# KiCad board ZX-Spectrum-Pentagon.kicad_pcb (continued)
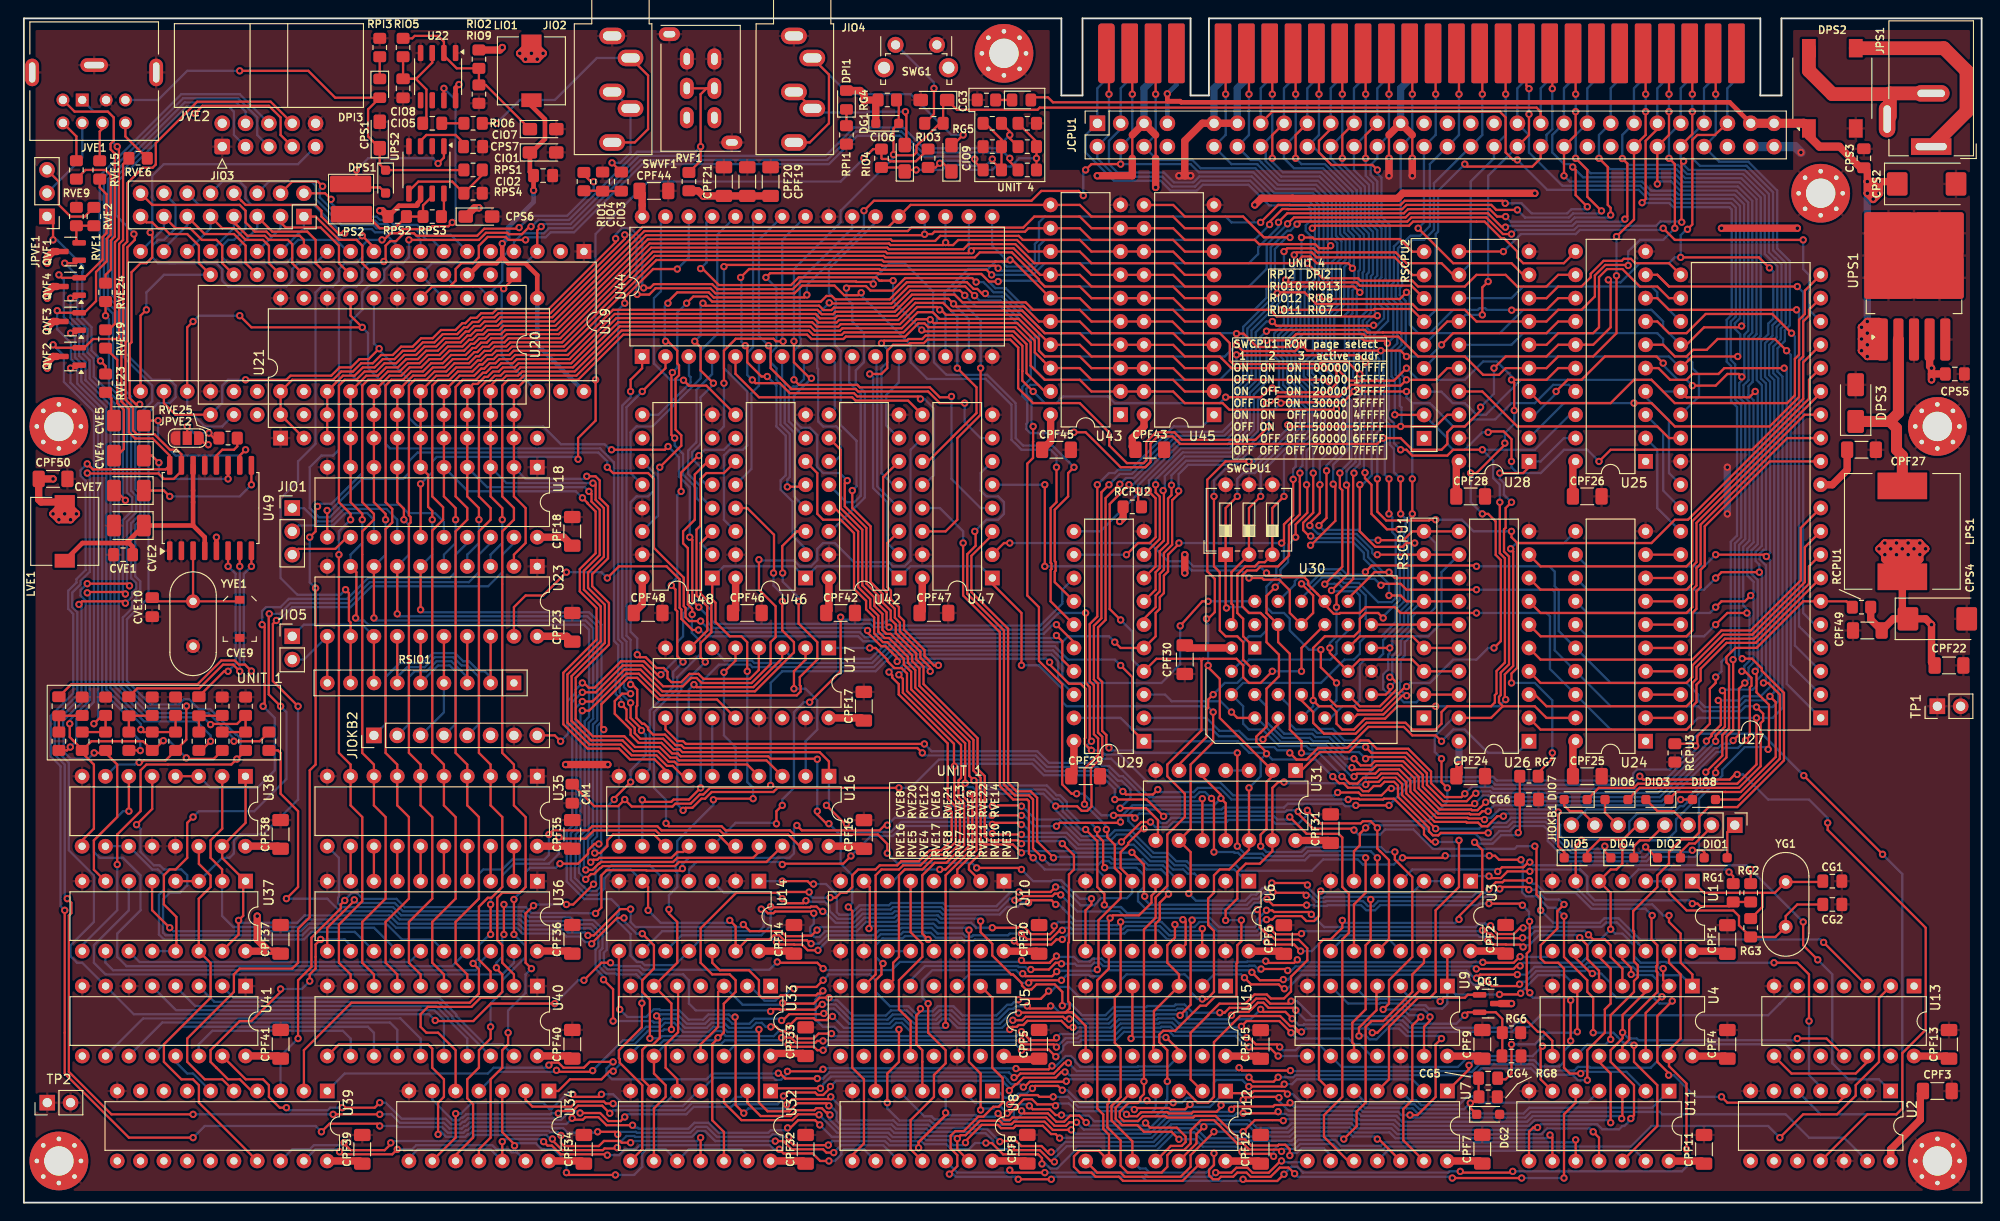
[diagram p0: board, top side]
## Routing (per net, layer and track width the routed paths; a pad name or vN(x,y) marks a point on that pad's centre or on a via; arc(x,y) is an arc through that point) (continued)
GND: length 64.4
  Top w0.25: 151.13,116.3 v1(151.13,113.76) ; 5.45,108.68 RVE1.1 ; 148.59,116.3 v1(148.59,113.76)
  Top w0.8: v1(148.59,113.76) v1(148.59,111.85) ; v1(125.73,111.85) v1(127,111.85) ; 126.37,111.85 126.37,115.66 128.27,117.57 132.08,117.57 ; 151.13,116.3 149.86,117.57 148.59,116.3 ; v1(151.13,113.76) v1(151.13,111.85)
  Bottom w0.8: v1(185.42,75.02) v1(185.42,80.1) ; 129.54,117.57 129.54,121.38 130.53,122.37 XMCPU1.A6 ; XMCPU1.A14 150.85,122.37 149.86,121.38 149.86,117.57 ; v1(125.73,111.85) v1(127,111.85) ; XMCPU1.A7 133.07,122.37 132.08,121.38 132.08,117.57 ; v1(151.13,113.76) v1(151.13,111.85) ; v1(148.59,113.76) v1(148.59,111.85)
  Bottom w1: v1(193.43,114.39) 192.8,115.03 187.96,115.03
VCC: length 407.3
  Top w0.25: 120.65,116.3 120.65,113.76 ; JPVE2.3 19.8,82.56 v1(20.07,82.56) ; 123.19,113.76 123.19,116.3
  Top w0.5: UPS2.6 43.18,109.18 42.88,108.87 42.88,108.68 ; U49.5 v1(20.95,72.48) ; 42.78,108.59 40.82,108.59 RPS2.1 ; U22.8 46.99,121.43 v1(47.35,121.79) 47.35,121.73
  Top w0.8: CPF15.1 134.33,15.96 130.81,15.96 ; CPF47.1 97.79,64.52 U47.16 ; 203.21,4.53 203.21,5.81 206.43,9.03 206.43,11.87 CPF3.1 ; CPF17.1 91.13,52.8 U17.16 ; CPF30.1 126.66,60.42 131.44,60.42 ; v1(206.37,70.59) 206.38,70.59 v1(206.38,71.85) ; v1(206.37,70.59) 205.11,71.86 v1(205.1,71.86) ; v1(206.37,70.59) v1(207,71.22) 207,71.22 v1(206.38,71.85) ; v1(206.37,70.59) 202.57,70.59 v1(202.56,70.58) ; v1(206.37,70.59) 206.37,70.07 LPS1.2 ; v1(2.54,95.34) 3.18,95.98 3.58,95.98 ; U32.14 84.8,4.54 CPF32.1 ; 106.68,27.39 110.22,27.39 CPF10.1 ; v1(3.18,75.02) v1(3.81,74.39) v1(5.08,74.39) v1(5.71,75.02) ; v1(3.18,75.02) v1(4.45,75.02) ; v1(3.18,75.02) 3.18,75.05 LVE1.1 ; v1(55.88,124.55) v1(56.51,125.19) ; v1(55.88,124.55) v1(54.61,124.55) ; v1(55.88,124.55) 55.88,125.19 ; v1(56.51,125.19) 55.88,125.19 ; v1(56.51,125.19) v1(53.98,125.19) ; v1(56.51,125.19) 55.24,126.46 v1(53.98,125.19) ; U11.14 182.6,4.53 CPF11.1 ; v1(205.1,71.86) 203.84,70.59 v1(203.84,70.58) ; v1(205.1,71.86) 205.1,70.59 v1(205.11,70.58) ; U23.20 59.1,61.69 CPF23.1 ; U45.20 121.93,84.55 120.65,83.28 120.65,82.35 CPF43.1 ; U29.20 114.3,46.74 CPF29.1 ; 123.19,116.3 121.92,117.57 120.65,116.3 ; v1(133.99,108.68) 134.71,109.41 138.1,109.41 138.11,109.39 149.54,109.39 150.1,109.95 v1(164.47,109.95) ; CPF13.1 209.27,15.96 205.75,15.96 ; 123.19,113.76 v1(123.19,110.58) ; v1(202.56,70.58) 203.83,71.85 v1(203.83,71.86) ; v1(202.56,70.58) 202.56,70.07 LPS1.2 ; v1(202.56,70.58) v1(202.56,71.85) ; v1(202.56,70.58) v1(201.93,71.21) v1(202.56,71.85) ; U16.20 91.15,38.83 CPF16.1 ; 55.88,125.19 55.24,125.82 54.61,125.19 ; CPS4.1 204.47,64.2 LPS1.2 ; CPS4.1 207.01,63.59 v1(207.65,62.96) 207.65,58.86 CPF22.1 ; CPS4.1 203.49,63.59 CPF49.1 201.03,63.52 RCPU1.2 ; LPS1.2 204.46,68.18 v1(204.46,71.22) ; LPS1.2 203.84,68.8 v1(203.84,70.58) ; LPS1.2 205.11,68.8 v1(205.11,70.58) ; LPS1.2 205.74,69.44 205.74,69.94 205.74,69.95 v1(205.74,71.22) ; LPS1.2 203.2,69.44 203.2,69.94 203.21,69.95 v1(203.21,71.21) ; 168.91,50.26 168.62,49.97 CPF25.1 ; 160.72,21.68 v1(161.93,21.68) ; v1(203.84,70.58) 203.83,70.58 v1(203.83,71.86) ; v1(203.84,70.58) v1(202.56,71.85) ; 3.58,99.79 3.18,99.79 2.54,99.16 v1(2.54,98.52) ; 181.61,27.39 185.13,27.39 CPF1.1 ; v1(203.83,71.86) 205.11,70.58 v1(205.11,70.58) ; CPF5.1 110.42,15.6 107.04,15.6 106.68,15.97 ; U18.20 58.76,72.48 CPF18.1 ; 154.94,15.96 158.47,15.96 CPF9.1 ; v1(116.84,111.85) 120.65,111.85 120.65,113.76 ; v1(54.61,124.55) 54.61,125.19 ; v1(54.61,124.55) v1(53.98,125.19) ; 54.61,125.19 v1(53.98,125.19) ; v1(5.71,75.02) v1(4.45,75.02) ; v1(5.71,75.02) 5.71,75.05 LVE1.1 ; v1(4.45,75.02) LVE1.1 ; LVE1.1 1.88,76.32 1.61,76.59 CPF50.1 v1(3.18,78.83) ; 24.12,27.39 v1(26.66,27.39) ; v1(26.66,27.39) 25.4,28.65 v1(25.4,31.21) ; v1(26.66,27.39) 27.67,27.39 CPF37.1 ; U42.16 87.63,64.52 CPF42.1 ; v1(52.07,125.82) 51.8,125.55 50.16,125.55 ; v1(202.56,71.85) v1(206.38,71.85) ; CPF28.1 155.92,80.45 U28.20 ; 3.58,92.17 3.18,92.17 2.54,91.53 v1(2.54,90.9) ; CPF35.1 59.41,38.83 U35.20 ; v1(119.28,74.2) 119.65,74.57 RCPU2.1 ; 24.13,38.83 27.66,38.83 CPF38.1 ; U34.14 60.66,4.54 CPF34.1 ; CPF4.1 185.14,15.96 181.62,15.96 ; 110.84,82 111.76,82.92 111.76,85.82 ; 55.88,27.41 59.4,27.41 CPF36.1 ; v1(206.38,71.85) v1(205.11,70.58) ; 91.44,120.07 91.44,120.72 91.03,121.13 89.53,121.13 ; CPF14.1 83.54,27.4 80.01,27.4 ; 195.58,78.2 196.85,78.2 198.46,79.81 CPF27.1 ; CPF12.1 134.34,4.53 U12.14 ; CPS6.1 49.04,108.36 v1(49.53,108.36) ; CPF46.1 77.47,64.52 U46.16 ; 3.58,103.6 3.18,103.6 2.54,102.97 v1(2.54,102.33) ; v1(184.78,106.14) v1(193.04,106.14) ; U7.14 158.46,4.54 CPF7.1 ; CPS5.1 207.65,90.26 v1(207.65,89.63) v1(207.65,90.9) 207.44,91.1 UPS1.4 ; U8.14 108.94,4.54 CPF8.1 ; CPF6.1 136.85,27.39 133.34,27.39 ; CPF40.1 59.4,15.98 55.88,15.98 ; v1(38.74,108.05) 39,108.05 RPS2.1 ; 24.13,15.98 27.65,15.98 CPF41.1 ; 81.28,16.25 84.81,16.25 CPF33.1 ; U39.20 36.54,4.54 CPF39.1 ; CPF19.1 CPF20.1 CPF21.1 74,109.66 v1(73.98,109.63) 73.39,110.22 RVF1.1 ; v1(126.37,70.58) v1(126.37,68.59) ; CPF48.1 67.31,65.16 U48.16 ; U3.14 161,27.4 CPF2.1 ; U31.14 141.96,39.45 CPF31.1 ; CPF24.1 156.21,46.74 v1(156.21,47.72) ; LIO1.1 v1(55.24,125.19) ; 66.98,110.2 67.29,109.89 U44.32 ; RG4.1 91.53,120.11 v1(91.44,120.02) ; CPF26.1 168.61,80.45 U25.20 ; 92.73,119.86 DG1.1 ; v1(58.97,47.72) v1(63.56,47.72)
  Bottom w0.8: 30.48,85.83 U20.19 ; 121.92,117.57 121.92,121.38 122.91,122.37 XMCPU1.A3 122.91,122.29 ; U26.20 v1(156.21,47.72)
/A0: length 233.3
  Top w0.25: 137.16,117.57 135.89,116.3 v1(135.89,113.76) ; v1(93.34,93.62) 93.62,93.89 96.11,93.89 96.28,94.07 97.77,94.07 98.16,94.46 107.55,94.46 108.69,93.33 108.69,90.57 108.68,90.57 108.68,89.54 v1(109.86,88.36) ; v1(157.48,79.47) 158.12,79.47 161.2,82.56 v1(161.2,82.73) ; v1(124,77.56) 124.09,77.48 124.09,72.11 123.19,71.21 123.19,69.31 U29.8 ; v1(158.75,75.02) 159.39,75.02 160.21,74.2 160.21,70.56 160.76,70 160.76,61.16 v1(160.02,60.42) ; U30.12 142.88,54.07 144.78,54.07 145.23,53.62 147.79,53.62 150.39,56.22 v1(150.51,56.22) ; v1(150.5,90.9) 149.14,89.54 144.24,89.54 v1(142.88,90.9) 142.88,89.24 141.9,88.26 136.35,88.26 v1(135.89,88.72) 135.62,88.72 134.63,87.74 v1(130.82,87.74) ; v1(162.22,86.29) 162.22,89.33 v1(161.93,89.63) 165.74,89.63 167.01,90.91 U25.16
  Bottom w0.25: v1(135.89,88.72) 135.62,88.72 134.33,87.44 134.33,84.02 131.58,81.27 126.33,81.27 124.19,79.13 124.19,77.75 v1(124,77.56) ; v1(162.22,86.29) 162.22,84.85 161.2,83.83 v1(161.2,82.73) ; v1(157.48,79.47) 157.48,76.29 v1(158.75,75.02) ; v1(142.88,90.9) 142.63,91.15 142.63,93.29 142.63,96.7 143.72,97.79 143.72,101.91 144.31,102.5 144.31,105.09 143.72,105.69 143.72,109.74 141.23,112.22 137.04,112.22 135.89,113.37 v1(135.89,113.76) ; v1(150.5,90.9) 151.77,89.63 156.84,89.63 158.84,91.62 160.32,91.62 161.93,90.02 v1(161.93,89.63) ; v1(150.51,56.22) 150.9,56.61 153.03,56.61 155.58,59.15 158.12,59.15 159.39,60.42 v1(160.02,60.42) ; U42.5 94.62,78.2 93.34,79.47 93.34,90.9 93.98,91.53 93.98,92.98 v1(93.34,93.62) ; v1(130.82,87.74) 130.17,87.09 118.75,87.09 118.02,87.81 113.12,87.81 112.4,87.09 111.12,87.09 v1(109.86,88.36) ; 137.16,117.57 137.16,121.38 138.15,122.37 XMCPU1.A9
/A1: length 232.7
  Top w0.25: v1(136.83,87.09) 136.92,87.18 143.6,87.18 v1(144.78,88.36) v1(150.5,88.36) ; 123.19,66.13 123.64,66.58 123.64,68.49 124.09,68.94 124.09,70.76 124.99,71.66 124.99,76.51 125.69,77.22 v1(125.69,77.52) ; U29.6 121.92,63.59 123.19,64.86 123.19,66.13 ; v1(135.5,84.55) 134.05,83.09 126.05,83.09 125.23,83.91 123.23,83.91 122.17,82.86 122.17,80.84 121.89,80.55 120.06,80.55 118.15,82.47 118.15,83.88 114.94,87.09 109.86,87.09 108.23,88.72 108.23,90.75 108.24,90.76 108.24,93.14 107.37,94.01 98.35,94.01 97.96,93.62 96.47,93.62 96.29,93.44 94.62,93.44 93.98,92.8 93.98,90.9 93.34,90.26 v1(92.07,90.26) ; 139.7,117.57 138.43,116.3 v1(138.43,113.76) ; v1(151.13,78.83) v1(151.13,75.02)
  Bottom w0.25: v1(92.07,90.26) 92.44,89.9 92.44,77.84 93.98,76.29 93.98,71.85 95.24,70.6 ; XMCPU1.A10 140.69,122.37 139.7,121.38 139.7,117.57 ; v1(150.5,88.36) 150.5,87.72 151.13,87.09 ; v1(138.43,113.76) 139.06,113.12 141.6,113.12 144.62,110.11 144.62,106.06 145.42,105.27 145.42,101.62 145.27,101.47 145.27,100.04 144.62,99.39 144.62,96.85 144.24,96.47 144.24,88.9 v1(144.78,88.36) ; v1(151.13,75.02) 150.85,74.75 150.85,72.85 150.67,72.67 150.67,65.28 149.78,64.39 149.78,63.07 147.96,61.25 147.96,59.78 147.32,59.15 145.95,59.15 145.42,58.61 145.42,54.7 144.78,54.07 143.51,54.07 142.24,52.8 U30.11 ; 151.13,87.09 v1(151.13,78.83) ; 151.13,87.09 153.03,87.09 155.58,84.55 156.82,84.55 157.58,85.31 160.15,85.31 161.93,87.09 164.47,87.09 166.46,89.08 168.18,89.08 U25.17 ; v1(136.83,87.09) 135.5,85.77 v1(135.5,84.55) 135.5,83.92 131.95,80.37 126.7,80.37 125.69,79.36 v1(125.69,77.52)
/A2: length 221.4
  Top w0.25: v1(149.86,82.01) 150.49,82.01 151.13,81.38 154.94,81.38 155.58,82.01 v1(158.75,82.01) ; v1(131.99,94.66) 132.76,94.66 134.22,93.21 137.8,93.21 138.76,94.16 145.62,94.16 145.91,93.88 148.15,93.88 v1(148.42,93.61) ; v1(89.53,99.62) 89.75,99.84 91.66,99.84 92.16,99.35 94.56,99.35 95.92,100.71 103.22,100.71 v1(103.65,100.28) ; 139.06,55.34 139.06,54.7 140.34,53.43 140.34,52.27 141.52,51.08 144.96,51.08 146.15,52.27 150.39,52.27 151.13,51.53 153.67,51.53 154.31,52.16 154.31,53.43 154.94,54.07 159.7,54.07 160.12,54.48 160.12,55.28 160.3,55.47 160.3,57.92 161.21,58.83 161.21,70.19 160.66,70.74 v1(160.66,76.29) ; v1(147.32,112.49) 146.78,113.03 142.33,113.03 140.97,114.39 140.97,115.66 142.24,116.94 142.24,117.57
  Bottom w0.25: v1(131.99,94.66) 131.94,94.71 111.12,94.71 106.67,99.16 105.56,99.16 104.44,100.28 v1(103.65,100.28) ; 142.24,117.57 142.24,121.38 143.23,122.37 XMCPU1.A11 ; 87.62,72.89 91.54,76.81 91.54,88.26 90.55,89.25 90.55,90.65 91.44,91.53 91.44,94.71 90.17,95.98 90.17,97.88 89.53,98.52 v1(89.53,99.62) ; v1(149.86,82.01) 149.14,82.73 149.14,84.88 148.5,85.52 148.5,86.33 148.59,86.42 148.59,89.63 148.42,89.8 v1(148.42,93.61) 149.06,94.24 149.06,97.65 148.42,98.29 148.42,100.17 148.67,100.42 148.67,106.5 147.77,107.4 147.77,111.65 147.32,112.1 v1(147.32,112.49) ; U25.18 168.28,85.82 164.47,82.01 v1(158.75,82.01) 159.93,80.83 159.93,78.92 160.66,78.2 v1(160.66,76.29)
/A3: length 223.9
  Top w0.25: v1(131.99,92.35) 132.03,92.31 145.28,92.31 v1(146.05,91.54) ; v1(87.66,98.01) 87.73,97.94 94.43,97.94 96.29,99.81 102.46,99.81 103.46,98.8 v1(103.48,98.8) ; 144.78,117.57 143.51,116.3 v1(143.51,113.76) ; v1(149.68,73.34) 148.37,73.34 146.69,75.02 146.69,78.2 145.98,78.91 v1(145.98,79.51) ; v1(147.96,63.68) 147.41,64.23 146.05,64.23 145.42,63.59 145.42,62.32 144.78,61.69 141.61,61.69 140.34,60.42 v1(140.34,54.7) 140.97,54.07 142.24,54.07 142.88,53.43 142.88,52.16 143.51,51.53 144.78,51.53 145.97,52.72 148.17,52.72 149.52,54.07 v1(153.67,54.07) ; v1(161.84,71.22) 162.11,70.95 162.11,58.46 161.2,57.55 161.2,54.88 v1(161.29,54.79)
  Bottom w0.25: 107,97.57 106.3,98.26 104.02,98.26 v1(103.48,98.8) ; v1(161.29,54.79) 160.57,54.07 v1(153.67,54.07) ; v1(149.68,73.34) 149.77,73.25 149.77,65.65 147.96,63.84 v1(147.96,63.68) ; XMCPU1.A12 145.77,122.37 144.78,121.38 144.78,117.57 ; U42.11 88.26,80.74 88.9,81.38 88.9,84.08 88.43,84.55 87,84.55 86.45,85.09 86.45,90.81 86.36,90.9 86.36,96.71 v1(87.66,98.01) ; v1(161.84,71.22) 162.46,71.85 167.64,71.85 168.91,73.12 ; v1(145.98,79.51) 145.87,79.63 145.87,86.94 146.41,87.48 146.41,89.91 146.14,90.17 146.14,91.45 v1(146.05,91.54) 146.07,91.56 146.07,94.75 145.74,95.09 145.74,96.06 146.62,96.94 146.62,100.91 146.84,101.14 146.84,105.75 145.97,106.62 145.97,110.67 143.51,113.13 v1(143.51,113.76) ; 139.06,52.8 139.89,53.62 139.89,53.62 140.34,54.07 v1(140.34,54.7) ; v1(131.99,92.35) 131.99,91.45 130.18,89.63 111.12,89.63 110.04,90.72 110.04,94.52 106.86,97.71
/A4: length 308.1
  Top w0.25: v1(137.55,106.62) 138.24,107.31 150.4,107.31 150.85,107.76 159.37,107.76 160.88,106.26 v1(161.27,106.26) ; v1(184.43,54.7) 184.71,54.43 184.71,52.04 183.7,51.03 183.7,50.83 v1(183.14,50.27) ; v1(173.99,113.73) 174.54,113.19 174.54,107.4 v1(174.27,107.13) ; v1(106.04,100.34) 105.04,100.34 104.22,101.16 93.03,101.16 92.94,101.24 81.24,101.24 v1(80.77,100.78) ; v1(83.1,77.97) 83.19,77.97 83.2,77.98 85.08,77.98 ; v1(146.05,49.62) 146.69,48.99 150.5,48.99 152.72,46.77 152.72,45.51 154.5,43.72 157.05,43.72 157.91,44.59 v1(158.04,44.59) ; v1(184.15,70.58) 189.47,70.58 v1(189.67,70.38)
  Bottom w0.25: 83.1,77.97 83.1,78.76 83.37,79.04 83.37,83.73 82.37,84.73 82.37,89.18 81.91,89.63 81.91,90.9 81.28,91.53 81.28,92.63 81.36,92.63 81.91,93.18 81.91,99.64 v1(80.77,100.78) ; 168.91,70.58 170.18,69.31 182.88,69.31 v1(184.15,70.58) ; v1(146.05,49.62) 143.83,49.62 142.29,51.16 140.78,51.16 140.41,51.53 138.43,51.53 137.8,52.16 137.8,54.07 137.16,54.7 U30.8 ; XMCPU1.A24 176.25,122.37 175.26,121.38 175.26,117.57 173.99,116.3 v1(173.99,113.73) 174.69,113.03 180.04,113.03 181.03,112.04 187.14,112.04 189.5,109.68 189.5,103.33 190.41,102.42 190.45,102.42 190.87,102 190.87,96.11 190.33,95.57 190.33,94.42 189.53,93.62 189.53,89.97 190.08,89.42 190.08,70.79 v1(189.67,70.38) 190.08,69.98 190.08,56.18 189.05,55.16 187.21,55.16 186.76,54.7 v1(184.43,54.7) ; 106.21,100.42 110.49,100.42 111.12,99.79 133.35,99.79 135.27,101.71 135.27,104.34 v1(137.55,106.62) ; v1(158.04,44.59) 158.25,44.79 159.61,44.79 159.78,44.62 177.88,44.62 183.14,49.88 v1(183.14,50.27) ; v1(174.27,107.13) 173.99,106.85 169,106.85 168.55,106.41 161.41,106.41 v1(161.27,106.26) ; v1(106.04,100.34) 106.13,100.42
/A5: length 331
  Top w0.25: v1(80.91,89.99) 80.28,89.99 78.74,91.53 78.74,93.13 v1(78.52,93.35) ; v1(184.15,50.26) 184.15,50.84 185.16,51.85 185.16,55.51 v1(184.88,55.78) ; v1(188.9,68.67) 184.78,68.67 v1(184.15,68.04) ; v1(134.87,50.46) 136.53,52.11 U30.7 ; v1(157.92,43.47) 157.73,43.27 154.31,43.27 152.27,45.32 152.27,46.59 150.31,48.54 146.24,48.54 v1(146.05,48.35) ; v1(172.72,107.58) 172.72,108.36 172.4,108.68 172.4,112.81 v1(171.45,113.76) ; v1(105.34,101.06) 104.79,101.61 93.22,101.61 93.13,101.69 78.93,101.69 v1(78.02,100.78) ; v1(161.29,107.41) 160.36,107.41 159.56,108.22 150.66,108.22 150.21,107.76 137.52,107.76 136.56,106.81 v1(136.56,106.78)
  Bottom w0.25: v1(184.15,68.04) 182.88,66.77 170.18,66.77 168.91,68.04 ; 105.41,101.06 109.86,101.06 111.12,102.33 133.35,102.33 134.35,103.33 134.35,104.06 136.56,106.27 v1(136.56,106.78) ; v1(157.92,43.47) 157.95,43.47 158.82,44.34 159.42,44.34 159.59,44.17 178.06,44.17 v1(184.15,50.26) ; XMCPU1.A23 173.71,122.37 172.72,121.38 172.72,117.57 171.45,116.3 v1(171.45,113.76) 172.62,112.58 179.85,112.58 180.85,111.59 186.95,111.59 189.05,109.49 189.05,94.41 188.63,93.99 188.63,89.59 189.18,89.04 189.18,71.55 188.49,70.87 188.49,69.9 188.9,69.49 v1(188.9,68.67) 189.18,68.4 189.18,57.46 188.63,56.91 188.63,56.32 188.19,55.88 184.99,55.88 v1(184.88,55.78) ; v1(172.72,107.58) 172.45,107.3 168.81,107.3 168.36,106.85 161.84,106.85 v1(161.29,107.41) ; U46.2 85.09,71.21 83.66,72.64 83.66,76.37 82.37,77.67 82.37,78.68 82.92,79.23 82.92,83.54 81.91,84.55 81.91,88.99 v1(80.91,89.99) ; U30.7 136.53,51.74 137.19,51.08 140.23,51.08 140.6,50.71 142.11,50.71 143.74,49.08 145.33,49.08 v1(146.05,48.35) ; U29.2 128.72,52.8 130.13,51.4 132.27,51.4 133.2,50.46 v1(134.87,50.46) ; v1(78.52,93.35) 78.1,93.76 78.1,100.69 v1(78.02,100.78)
/A6: length 318.3
  Top w0.25: v1(171.72,108.03) 170.18,109.57 170.18,112.49 v1(168.91,113.76) ; v1(184.15,64.86) 184.78,65.5 187.33,65.5 v1(187.96,66.13) ; v1(186.05,50.34) 186.69,50.98 186.69,55.97 v1(187.33,56.61) ; v1(162.56,108.13) 160.27,108.13 159.73,108.68 150.49,108.68 150.02,108.22 137.62,108.22 137.61,108.23 136.98,108.23 135.59,106.84 v1(135.59,106.55) ; v1(159.12,43.62) 158.59,43.09 158.57,43.09 158.22,42.74 157.62,42.74 157.54,42.82 154.13,42.82 151.82,45.13 151.82,46.4 150.13,48.09 147.06,48.09 146.6,47.63 145.5,47.63 v1(144.78,48.35) ; v1(106.04,101.78) 105.77,102.06 93.4,102.06 93.32,102.14 76.39,102.14 v1(76.2,101.96)
  Bottom w0.25: v1(184.15,64.86) 183.52,64.23 170.18,64.23 168.91,65.5 ; U46.14 76.2,74.39 76.2,81.38 76.2,81.38 76.84,82.01 78.27,82.01 78.74,82.48 78.74,88.36 76.2,90.9 v1(76.2,101.96) ; U30.6 135.25,54.07 135.25,52.38 137,50.63 139.96,50.63 140.33,50.26 141.92,50.26 143.83,48.35 v1(144.78,48.35) ; v1(186.05,50.34) 185.7,49.98 184.88,49.98 184.88,49.96 184.45,49.53 184.06,49.53 178.25,43.72 159.23,43.72 v1(159.12,43.62) ; v1(187.33,56.61) 187.73,57.01 187.73,58.28 188.28,58.83 188.28,65.82 v1(187.96,66.13) 188.28,66.45 188.28,67.64 187.59,68.32 187.59,71.24 188.28,71.92 188.28,87.41 187.73,87.96 187.73,88.96 188.18,89.41 188.18,94.18 188.59,94.6 188.59,109.31 186.76,111.14 180.66,111.14 179.67,112.13 170.53,112.13 v1(168.91,113.76) 168.91,116.3 170.18,117.57 170.18,121.38 171.17,122.37 XMCPU1.A22 ; v1(162.56,108.13) 163.39,107.3 168.18,107.3 168.63,107.75 171.45,107.75 v1(171.72,108.03) ; 106.12,101.78 106.39,101.51 109.67,101.51 110.49,102.33 110.49,104.23 111.12,104.87 133.95,104.87 135.59,106.51 v1(135.59,106.55)
/A7: length 298.9
  Top w0.25: v1(101.6,90.9) 103.69,88.81 103.69,86.01 101.15,83.47 101.15,83.46 98.43,80.74 U47.11 ; v1(131.44,53.43) 132.08,52.8 U30.5 ; v1(134.62,106.77) 136.53,108.68 137.8,108.68 137.81,108.66 149.84,108.66 150.3,109.13 160.97,109.13 v1(161.24,108.86) ; v1(159.39,42.64) 158.75,42.64 158.41,42.29 157.43,42.29 157.35,42.38 153.94,42.38 151.37,44.95 151.37,46.21 149.94,47.64 147.24,47.64 146.78,47.18 144.56,47.18 144.55,47.19 v1(144.55,47.38) ; v1(187.4,50.36) 187.87,50.83 187.87,56.13 188.05,56.31 188.05,57.15 187.33,57.88 v1(187,57.88) ; v1(168.59,112.81) 168.91,112.49 168.91,109.75 v1(170.18,108.48) ; v1(187.55,64.23) 185.42,64.23 v1(184.15,62.96)
  Bottom w0.25: v1(184.15,62.96) 182.88,61.69 170.18,61.69 168.91,62.96 ; U29.3 124.22,55.34 124.94,54.61 130.27,54.61 v1(131.44,53.43) ; v1(144.55,47.38) 144.16,47.38 141.73,49.81 140.14,49.81 139.77,50.18 136.81,50.18 134.19,52.8 U30.5 ; v1(101.6,90.9) 101.6,96.47 100.22,97.85 100.22,99.13 102.79,101.69 104.93,101.69 105.74,102.51 106.42,102.51 106.97,101.96 109.48,101.96 110.04,102.52 110.04,104.42 110.49,104.87 110.49,106.77 111.12,107.41 130.81,107.41 131.44,106.77 v1(134.62,106.77) ; 167.64,117.57 167.64,121.38 ; 167.64,121.38 168.28,122.01 ; 167.64,121.38 168.63,122.37 XMCPU1.A21 ; v1(187,57.88) 187.28,58.15 187.28,58.47 187.83,59.02 187.83,63.96 v1(187.55,64.23) 187.55,64.64 187.14,65.05 187.14,71.43 187.83,72.11 187.83,87.22 187.18,87.87 187.18,89.04 187.73,89.59 187.73,94.36 188.15,94.78 188.15,109.12 186.58,110.69 180.48,110.69 179.48,111.69 169.72,111.69 v1(168.59,112.81) 168.28,113.12 167.64,113.12 166.37,114.39 166.37,116.3 167.34,117.27 ; v1(170.18,108.48) 169.91,108.2 168.44,108.2 167.99,107.75 164.12,107.75 163.02,108.86 v1(161.24,108.86) ; v1(187.4,50.36) 186.57,49.53 185.08,49.53 184.64,49.08 184.25,49.08 178.44,43.27 160.02,43.27 v1(159.39,42.64)
/A8: length 295.3
  Top w0.25: 180.34,115.03 180.34,115.13 181.61,116.4 v1(181.61,118.84) ; v1(181.61,120.74) 181.61,124.91 XMCPU1.B26 ; DIO3.1 179.88,44.73 185.23,44.73 185.23,44.73 186.87,44.73 190.69,48.54 190.69,54.52 v1(190.06,55.15) ; v1(180.66,113.44) 180.43,113.21 180.43,106.83 v1(180.46,106.8) ; v1(161.93,105.5) 160.99,105.5 159.18,107.31 151.03,107.31 150.58,106.86 138.82,106.86 138.58,106.62 v1(138.58,106.59) ; v1(146.02,68.7) 146.72,69.4 158.03,69.4 v1(158.12,69.31) ; v1(104.14,90.9) 104.14,85.82 101.6,83.28 101.6,74.39 100.33,73.12 U47.14
  Bottom w0.25: 180.34,115.03 180.34,113.76 v1(180.66,113.44) 180.66,113.05 181.22,112.49 187.32,112.49 189.94,109.87 189.94,103.52 190.6,102.87 190.63,102.87 191.32,102.18 191.32,95.92 190.78,95.38 190.78,94.24 189.98,93.43 189.98,90.15 190.53,89.6 190.53,55.61 v1(190.06,55.15) 189.62,54.71 187.4,54.71 186.67,53.98 182.97,53.98 182.25,54.7 182.25,55.34 180.97,56.61 172.72,56.61 167.07,62.26 167.07,66.7 166.62,67.15 166.62,68.74 166.05,69.31 v1(158.12,69.31) ; v1(138.58,106.59) 137.87,105.88 137.53,105.88 135.72,104.07 135.72,100.02 135.25,99.55 135.25,98.56 133.94,97.25 109.22,97.25 106.86,99.61 105.74,99.61 104.21,101.15 102.96,101.15 101.24,99.43 101.24,98.97 104.14,96.08 v1(104.14,90.9) ; v1(161.93,105.5) 162.38,105.95 168.74,105.95 169.19,106.41 177.67,106.41 178.13,106.86 180.39,106.86 v1(180.46,106.8) ; v1(146.02,68.7) 145.72,68.4 144.03,68.4 143.44,68.99 139.63,68.99 138.34,67.71 138.34,67.31 U30.27 ; v1(181.61,118.84) v1(181.61,120.74)
/A9: length 217.4
  Top w0.25: v1(111.12,78.2) v1(111.12,69.31) ; v1(139.06,67.4) 140.34,66.13 140.34,64.23 139.06,62.96 137.8,64.23 137.8,66.69 136.62,67.86 134.95,67.86 134.78,68.04 v1(133.35,68.04) ; DIO6.1 175.88,45.18 186.69,45.18 189.05,47.54 189.05,52.22 189.32,52.5 189.32,53.26 v1(188.59,53.98) ; v1(147.72,67.25) 147.87,67.4 149.86,67.4 150.5,66.77 v1(158.12,66.77)
  Bottom w0.25: v1(158.12,66.77) 166.37,66.77 166.62,66.52 166.62,60.17 172.72,54.07 182.24,54.07 182.78,53.53 186.86,53.53 187.4,54.07 188.51,54.07 v1(188.59,53.98) 190.33,53.98 190.97,54.62 190.97,89.79 190.43,90.34 190.43,93.24 191.23,94.05 191.23,95.2 191.77,95.74 191.77,102.37 190.4,103.74 190.4,110.05 187.51,112.94 182.43,112.94 181.61,113.76 181.61,116.3 182.88,117.57 182.88,121.38 183.87,122.37 XMCPU1.A27 ; v1(111.12,78.2) U47.5 ; v1(111.12,69.31) 126.67,69.31 127.12,68.86 132.53,68.86 v1(133.35,68.04) ; v1(139.06,67.4) 139.98,67.4 141.12,68.54 143.25,68.54 143.84,67.95 147.02,67.95 v1(147.72,67.25)
/A10: length 203.9
  Top w0.25: v1(184.15,120.74) 184.15,124.91 XMCPU1.B27 ; U47.2 106.68,71.85 v1(107.31,71.85) ; v1(158.12,64.23) 149.86,64.23 149.22,64.86 146.05,64.86 145.41,64.23 143.27,64.23 143.18,64.14 142.57,64.14 141.61,65.11 U30.23 140.78,66.32 140.78,66.32 139.79,67.32 139.79,67.71 139.37,68.13 136.99,68.13 136.81,68.31 135.53,68.31 v1(135.25,68.59) ; v1(188.59,52.8) 188.59,47.73 186.5,45.63 175.69,45.63 175.24,45.18 171.43,45.18 DIO7.1
  Bottom w0.25: v1(158.12,64.23) 165.74,64.23 166.12,63.85 166.12,58.13 172.72,51.53 180.97,51.53 182.25,52.8 v1(188.59,52.8) 190.34,52.8 191.43,53.88 191.43,89.97 190.88,90.52 190.88,93.06 191.68,93.86 191.68,95.01 192.23,95.56 192.23,102.55 190.84,103.93 190.84,110.24 187.69,113.39 184.52,113.39 182.88,115.03 184.15,116.3 v1(184.15,120.74) ; v1(107.31,71.85) 122.56,71.85 124.55,69.85 126.76,69.85 127.3,69.31 134.53,69.31 v1(135.25,68.59)
/A11: length 296.5
  Top w0.25: v1(114.3,83.91) 115.57,83.91 119.38,80.1 122.08,80.1 122.63,80.66 122.63,82.68 123.41,83.46 125.04,83.46 125.86,82.64 147.32,82.64 v1(147.96,83.28) 149.86,83.28 151.13,82.01 154.31,82.01 154.94,82.64 154.94,83.91 155.58,84.55 156.84,84.55 158.56,86.26 v1(158.56,86.65) ; v1(180.34,102.97) 188.86,102.97 v1(190,101.82) ; v1(73.03,93.83) 73.66,93.19 73.66,90.65 v1(75.05,89.26) ; 170.82,93.44 172.72,95.35 172.72,100.26 v1(172.46,100.51) ; v1(160.02,90.9) 161.29,92.17 165.74,92.17 167.01,93.44 U25.15 170.81,93.44 ; v1(181.08,106.02) 181.61,106.55 181.61,115.76 182.15,116.3 184.05,116.3 185.42,117.57 ; v1(102.42,98.83) 101.89,99.36 96.48,99.36 94.61,97.49 88.17,97.49 87.9,97.22 87.03,97.22 86.56,97.7 74.19,97.7 v1(73.91,97.97) ; v1(148.59,75.02) v1(148.59,78.83) ; DIO8.1 186.69,43.91 191.14,48.36 191.14,55.34 189.87,56.61 v1(189.35,56.61)
  Bottom w0.25: v1(158.56,86.65) 160.02,88.11 v1(160.02,90.9) ; v1(147.96,83.28) 148.14,83.09 148.14,79.28 v1(148.59,78.83) ; v1(172.46,100.51) 172.74,100.24 173.81,100.24 175.9,102.33 179.07,102.33 179.71,102.97 v1(180.34,102.97) 180.34,105.39 180.97,106.02 v1(181.08,106.02) ; v1(73.91,97.97) 73.66,97.72 73.66,94.46 v1(73.03,93.83) ; XMCPU1.A28 186.41,122.37 185.42,121.38 185.42,117.57 ; 139.06,65.5 139.06,65.85 141.3,68.09 143.06,68.09 143.66,67.5 145.32,67.5 147.41,65.41 148.89,65.41 149.31,65.83 149.31,72.68 148.95,73.04 148.95,74.66 v1(148.59,75.02) ; v1(114.3,83.91) 114.21,83.82 109.55,83.82 109.13,84.25 109.13,84.85 109.22,84.94 109.22,87.33 108.68,87.87 108.68,88.85 109.59,89.76 109.59,94.34 106.31,97.62 103.63,97.62 v1(102.42,98.83) ; v1(190,101.82) 190.42,101.4 190.42,96.3 189.88,95.76 189.88,94.61 189.08,93.8 189.08,89.78 189.62,89.23 189.62,71.11 189.37,71.11 188.94,70.68 188.94,70.08 189.62,69.4 189.62,56.88 v1(189.35,56.61) ; U48.5 74.3,78.2 73.66,78.84 73.66,80.1 72.75,81.01 72.75,81.74 73.66,82.64 73.66,87.73 75.05,89.12 v1(75.05,89.26)
/A12: length 292.9
  Top w0.25: U25.14 167.01,95.98 165.74,94.71 155.58,94.71 v1(154.31,93.44) ; v1(70.59,90.42) 70.49,90.32 70.49,83.63 v1(70.83,83.28) ; v1(149.86,75.02) v1(149.86,78.83) ; v1(104.65,99.03) 104.28,99.03 103.78,99.53 103.38,99.53 102.65,100.26 96.11,100.26 94.24,98.39 88.31,98.39 87.94,98.76 87.36,98.76 86.75,98.15 74.9,98.15 74.35,98.7 72.86,98.7 v1(72.14,97.97) ; v1(144.79,46.41) 145.11,46.73 147.1,46.73 147.55,47.19 149.7,47.19 150.92,45.97 150.92,44.76 153.76,41.92 157.17,41.92 157.25,41.84 158.86,41.84 v1(158.98,41.72) ; v1(150.5,92.17) 149.86,92.8 v1(147.7,92.8) 139.7,92.8 v1(139.06,93.44) 138.38,92.76 132.68,92.76 v1(131.99,93.44) ; v1(167,42.55) 167,38.83 167.68,38.15 167.68,37.56
  Bottom w0.25: v1(70.83,83.28) 70.83,82.48 71.75,81.56 71.75,79.29 73.21,77.83 73.21,76.74 73.66,76.29 73.66,71.84 74.93,70.57 ; v1(149.86,75.02) 150.4,74.48 150.4,73.04 150.22,72.85 150.22,65.46 149.33,64.58 149.33,63.26 147.76,61.69 146.05,61.69 145.42,61.05 145.42,59.78 144.78,59.15 143.73,59.15 141.19,56.61 132.72,56.61 131.44,55.34 132.72,54.07 132.72,52.16 133.35,51.53 134.83,51.53 136.63,49.73 139.59,49.73 139.96,49.36 141.55,49.36 144.5,46.41 v1(144.79,46.41) ; v1(150.5,92.17) 153.03,92.17 v1(154.31,93.44) ; v1(104.65,99.03) 104.97,98.71 106.49,98.71 110.49,94.71 110.49,92.8 111.12,92.17 130.72,92.17 v1(131.99,93.44) ; v1(167,42.55) 166.73,42.82 160.6,42.82 159.69,41.91 159.17,41.91 v1(158.98,41.72) ; v1(147.7,92.8) 147.97,92.53 147.97,89.61 148.05,89.53 148.05,85.33 148.69,84.7 148.69,82.55 149.14,82.1 149.14,79.56 v1(149.86,78.83) ; XMCPU1.A2 120.37,122.37 119.38,121.38 119.38,116.93 118.11,115.66 118.11,113.12 119.03,112.21 124.11,112.21 125.19,111.13 127.3,111.13 127.94,111.77 133.67,111.77 135.92,109.52 140.11,109.52 140.97,108.67 140.97,100.42 139.85,99.3 139.85,94.23 v1(139.06,93.44) ; v1(72.14,97.97) 71.12,96.96 71.12,90.96 v1(70.59,90.42)